# Altium PCB STM32F405.PcbDoc (part 4 of 5) (continued)
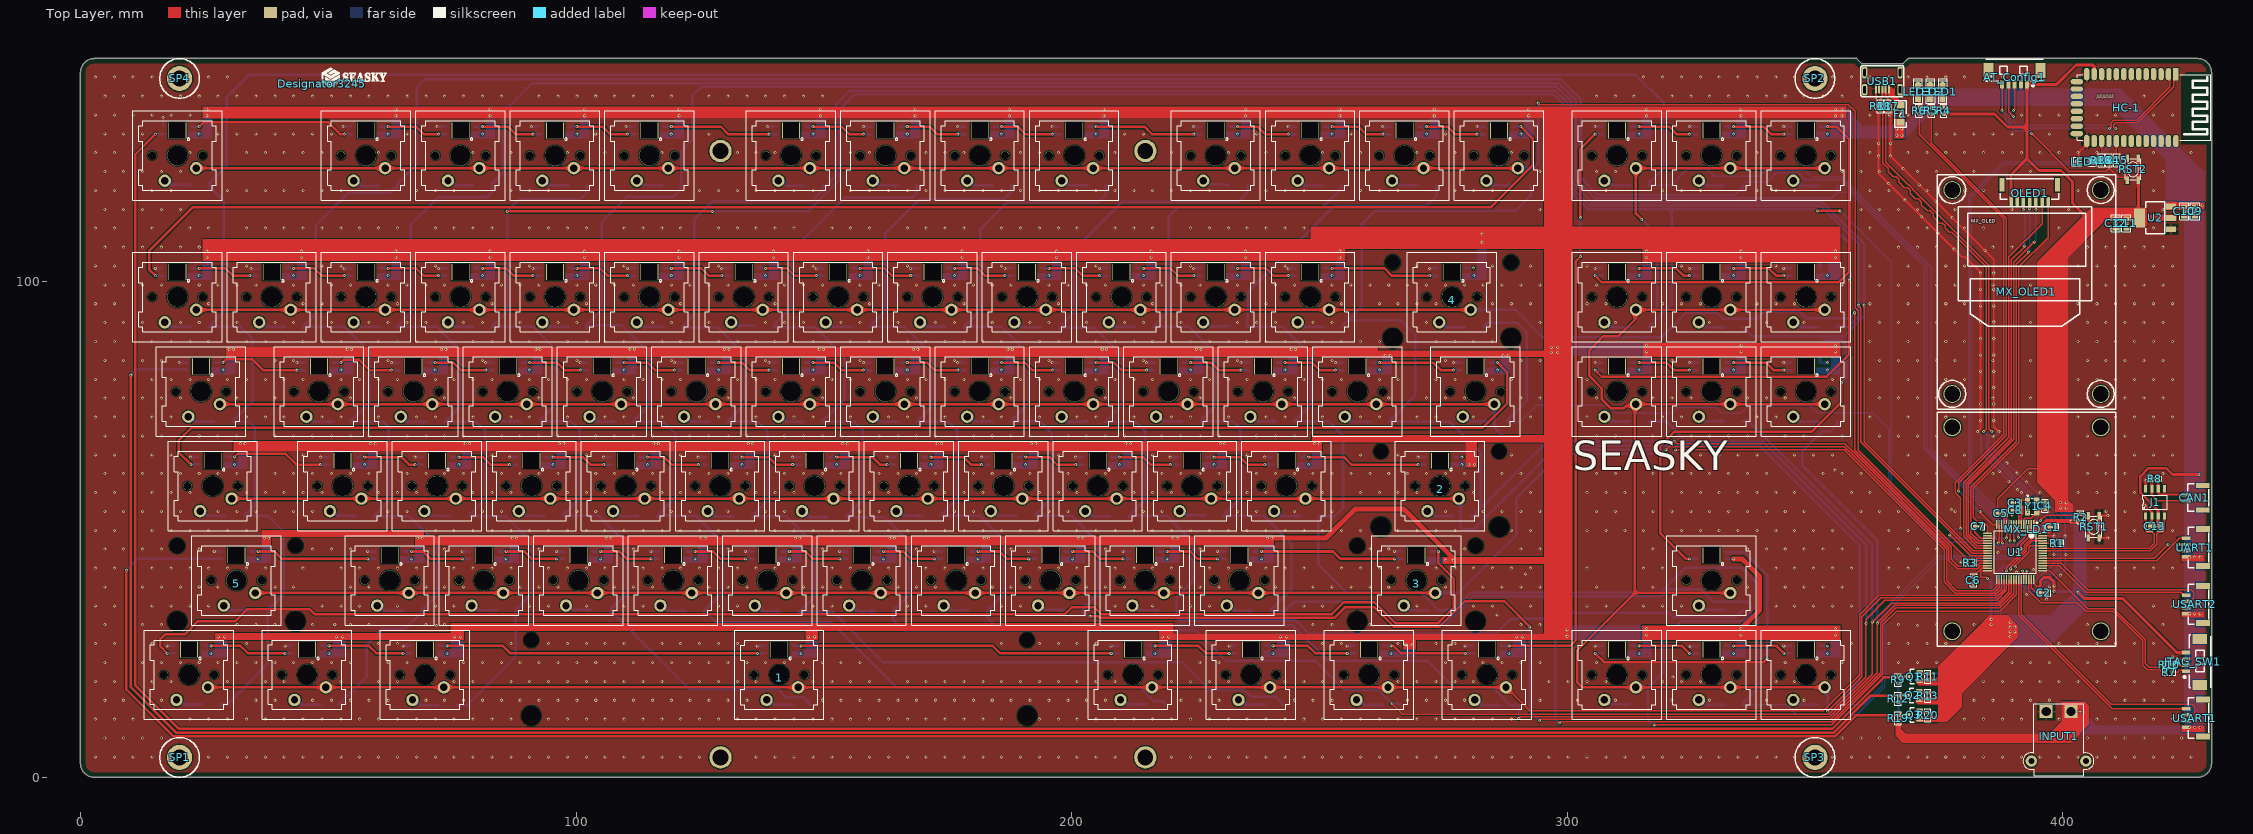
[diagram p0: Top Layer view]
## Nets (pads, with @x,y where several pads share a name; then routed paths per layer and width w, separated by ;. In a path a pad name is that pad's centre, name@x,y a point inside that pad or via, vN(x,y) a via of type N, cw(c..) or ccw(c..) an arc to the next point about the centre after c; other vN are vias at no path point) (continued)
NetLED3_1: LED3.1 R6.1 | length 2
  Top Layer w0.381: LED3.1@370.786,137.033 371.025,136.794 R6.1@371.025,135.133
NetLED4_1: LED4.1 R16.1 | length 2.2
  Top Layer w0.254: LED4.1@405.765,124.206 406.161,123.81 R16.1@407.778,123.81
NetR1_1: R1.1 U1.60 | length 2.4
  Top Layer w0.254: U1.60@395.948,47.194 398.294,47.194 R1.1@398.299,47.188
NetR3_2: R3.2 U1.28 | length 2.7
  Top Layer w0.254: R3.2@382.158,43.688 382.164,43.694 U1.28@384.848,43.694
NetR17_1: R17.1 USB1.2 | length 3
  Top Layer w0.381: USB1.2@364.262,138.896 364.271,138.887 364.271,137.379 364.777,136.873 R17.1@364.777,136.065
NetR18_1: R18.1 USB1.3 | length 3
  Top Layer w0.381: R18.1@363.253,136.065 363.253,136.939 363.612,137.298 USB1.3@363.612,138.896
NetSW1_4: SW1.4 SW2.6 | length 33.8
  Top Layer w0.508: v1(23.959,131.275) 24.892,132.207 49.911,132.207 52.343,129.775 v1(53.239,129.775)
  Bottom Layer w0.508: SW1.4@22.399,131.275 v1(23.959,131.275) ; v1(53.239,129.775) SW2.6@54.799,129.775
NetSW2_4: SW2.4 SW3.6 | length 14
  Top Layer w0.508: v1(62.059,131.275) 67.734,131.275 69.234,129.775 v1(72.289,129.775)
  Bottom Layer w0.508: SW2.4@60.499,131.275 v1(62.059,131.275) ; v1(72.289,129.775) SW3.6@73.849,129.775
NetSW3_4: SW3.4 SW4.6 | length 14
  Top Layer w0.508: v1(81.109,131.275) 86.276,131.275 87.776,129.775 v1(91.339,129.775)
  Bottom Layer w0.508: SW3.4@79.549,131.275 v1(81.109,131.275) ; v1(91.339,129.775) SW4.6@92.899,129.775
NetSW4_4: SW4.4 SW5.6 | length 14
  Top Layer w0.508: v1(100.159,131.275) 105.326,131.275 106.826,129.775 v1(110.389,129.775)
  Bottom Layer w0.508: SW4.4@98.599,131.275 v1(100.159,131.275) ; v1(110.389,129.775) SW5.6@111.949,129.775
NetSW5_4: SW5.4 SW6.6 | length 23.5
  Top Layer w0.508: v1(119.209,131.275) 129.202,131.275 130.702,129.775 v1(138.964,129.775)
  Bottom Layer w0.508: SW5.4@117.649,131.275 v1(119.209,131.275) ; v1(138.964,129.775) SW6.6@140.524,129.775
NetSW6_4: SW6.4 SW7.6 | length 14
  Top Layer w0.508: v1(147.784,131.275) 153.586,131.275 155.086,129.775 v1(158.014,129.775)
  Bottom Layer w0.508: SW6.4@146.224,131.275 v1(147.784,131.275) ; v1(158.014,129.775) SW7.6@159.574,129.775
NetSW7_4: SW7.4 SW8.6 | length 14
  Top Layer w0.508: v1(166.834,131.275) 171.366,131.275 172.866,129.775 v1(177.064,129.775)
  Bottom Layer w0.508: SW7.4@165.274,131.275 v1(166.834,131.275) ; v1(177.064,129.775) SW8.6@178.624,129.775
NetSW8_4: SW8.4 SW9.6 | length 14
  Top Layer w0.508: v1(185.884,131.275) 189.146,131.275 190.646,129.775 v1(196.114,129.775)
  Bottom Layer w0.508: SW8.4@184.324,131.275 v1(185.884,131.275) ; v1(196.114,129.775) SW9.6@197.674,129.775
NetSW9_4: SW9.4 SW10.6 | length 23.5
  Top Layer w0.508: v1(204.934,131.275) 214.673,131.275 216.173,129.775 v1(224.689,129.775)
  Bottom Layer w0.508: SW9.4@203.374,131.275 v1(204.934,131.275) ; v1(224.689,129.775) SW10.6@226.249,129.775
NetSW10_4: SW10.4 SW11.6 | length 14
  Top Layer w0.508: v1(233.509,131.275) 237.533,131.275 239.033,129.775 v1(243.739,129.775)
  Bottom Layer w0.508: SW10.4@231.949,131.275 v1(233.509,131.275) ; v1(243.739,129.775) SW11.6@245.299,129.775
NetSW11_4: SW11.4 SW12.6 | length 14
  Top Layer w0.508: v1(252.559,131.275) 257.853,131.275 259.353,129.775 v1(262.789,129.775)
  Bottom Layer w0.508: SW11.4@250.999,131.275 v1(252.559,131.275) ; v1(262.789,129.775) SW12.6@264.349,129.775
NetSW12_4: SW12.4 SW13.6 | length 14
  Top Layer w0.508: v1(271.609,131.275) 275.887,131.275 277.387,129.775 v1(281.839,129.775)
  Bottom Layer w0.508: SW12.4@270.049,131.275 v1(271.609,131.275) ; v1(281.839,129.775) SW13.6@283.399,129.775
NetSW14_4: SW14.4 SW15.6 | length 14
  Top Layer w0.508: v1(23.959,102.699) 29.254,102.699 30.754,101.199 v1(34.189,101.199)
  Bottom Layer w0.508: SW14.4@22.399,102.699 v1(23.959,102.699) ; v1(34.189,101.199) SW15.6@35.749,101.199
NetSW15_4: SW15.4 SW16.6 | length 14
  Top Layer w0.508: v1(43.009,102.699) 47.161,102.699 48.661,101.199 v1(53.239,101.199)
  Bottom Layer w0.508: SW15.4@41.449,102.699 v1(43.009,102.699) ; v1(53.239,101.199) SW16.6@54.799,101.199
NetSW16_4: SW16.4 SW17.6 | length 14
  Top Layer w0.508: v1(62.059,102.699) 67.735,102.699 69.235,101.199 v1(72.289,101.199)
  Bottom Layer w0.508: SW16.4@60.499,102.699 v1(62.059,102.699) ; v1(72.289,101.199) SW17.6@73.849,101.199
NetSW17_4: SW17.4 SW18.6 | length 14
  Top Layer w0.508: v1(81.109,102.699) 85.896,102.699 87.396,101.199 v1(91.339,101.199)
  Bottom Layer w0.508: SW17.4@79.549,102.699 v1(81.109,102.699) ; v1(91.339,101.199) SW18.6@92.899,101.199
NetSW18_4: SW18.4 SW19.6 | length 14
  Top Layer w0.508: v1(100.159,102.699) 104.819,102.699 106.319,101.199 v1(110.389,101.199)
  Bottom Layer w0.508: SW18.4@98.599,102.699 v1(100.159,102.699) ; v1(110.389,101.199) SW19.6@111.949,101.199
NetSW19_4: SW19.4 SW20.6 | length 14
  Top Layer w0.508: v1(119.209,102.699) 125.266,102.699 126.766,101.199 v1(129.439,101.199)
  Bottom Layer w0.508: SW19.4@117.649,102.699 v1(119.209,102.699) ; v1(129.439,101.199) SW20.6@130.999,101.199
NetSW20_4: SW20.4 SW21.6 | length 14
  Top Layer w0.508: v1(138.259,102.699) 142.538,102.699 144.038,101.199 v1(148.489,101.199)
  Bottom Layer w0.508: SW20.4@136.699,102.699 v1(138.259,102.699) ; v1(148.489,101.199) SW21.6@150.049,101.199
NetSW21_4: SW21.4 SW22.6 | length 14
  Top Layer w0.508: v1(157.309,102.699) 162.223,102.699 163.723,101.199 v1(167.539,101.199)
  Bottom Layer w0.508: SW21.4@155.749,102.699 v1(157.309,102.699) ; v1(167.539,101.199) SW22.6@169.099,101.199
NetSW22_4: SW22.4 SW23.6 | length 14
  Top Layer w0.508: v1(176.359,102.699) 181.019,102.699 182.519,101.199 v1(186.589,101.199)
  Bottom Layer w0.508: SW22.4@174.799,102.699 v1(176.359,102.699) ; v1(186.589,101.199) SW23.6@188.149,101.199
NetSW23_4: SW23.4 SW24.6 | length 14
  Top Layer w0.508: v1(195.409,102.699) 200.704,102.699 202.204,101.199 v1(205.639,101.199)
  Bottom Layer w0.508: SW23.4@193.849,102.699 v1(195.409,102.699) ; v1(205.639,101.199) SW24.6@207.199,101.199
NetSW24_4: SW24.4 SW25.6 | length 14
  Top Layer w0.508: v1(214.459,102.699) 219.92,102.699 221.42,101.199 v1(224.689,101.199)
  Bottom Layer w0.508: SW24.4@212.899,102.699 v1(214.459,102.699) ; v1(224.689,101.199) SW25.6@226.249,101.199
NetSW25_4: SW25.4 SW26.6 | length 14
  Top Layer w0.508: v1(233.509,102.699) 239.185,102.699 240.685,101.199 v1(243.739,101.199)
  Bottom Layer w0.508: SW25.4@231.949,102.699 v1(233.509,102.699) ; v1(243.739,101.199) SW26.6@245.299,101.199
NetSW26_4: SW26.4 SW27.6 | length 23.5
  Top Layer w0.508: v1(252.559,102.699) 263.103,102.699 264.591,101.211 v1(272.272,101.211)
  Bottom Layer w0.508: SW26.4@250.999,102.699 v1(252.559,102.699) ; v1(272.272,101.211) SW27.6@273.833,101.211
NetSW28_4: SW28.4 SW29.6 | length 19.3
  Top Layer w0.508: v1(28.722,83.649) 29.4,84.328 34.671,84.328 36.85,82.149 v1(43.714,82.149)
  Bottom Layer w0.508: SW28.4@27.162,83.649 v1(28.722,83.649) ; v1(43.714,82.149) SW29.6@45.274,82.149
NetSW29_4: SW29.4 SW30.6 | length 14.4
  Top Layer w0.508: v1(52.534,83.649) 53.086,84.201 56.261,84.201 58.313,82.149 v1(62.764,82.149)
  Bottom Layer w0.508: SW29.4@50.974,83.649 v1(52.534,83.649) ; v1(62.764,82.149) SW30.6@64.324,82.149
NetSW30_4: SW30.4 SW31.6 | length 14
  Top Layer w0.508: v1(71.584,83.649) 75.228,83.649 76.728,82.149 v1(81.814,82.149)
  Bottom Layer w0.508: SW30.4@70.024,83.649 v1(71.584,83.649) ; v1(81.814,82.149) SW31.6@83.374,82.149
NetSW31_4: SW31.4 SW32.6 | length 14
  Top Layer w0.508: v1(90.634,83.649) 96.183,83.649 97.683,82.149 v1(100.864,82.149)
  Bottom Layer w0.508: SW31.4@89.074,83.649 v1(90.634,83.649) ; v1(100.864,82.149) SW32.6@102.424,82.149
NetSW32_4: SW32.4 SW33.6 | length 14
  Top Layer w0.508: v1(109.684,83.649) 114.471,83.649 115.971,82.149 v1(119.914,82.149)
  Bottom Layer w0.508: SW32.4@108.124,83.649 v1(109.684,83.649) ; v1(119.914,82.149) SW33.6@121.474,82.149
NetSW33_4: SW33.4 SW34.6 | length 14
  Top Layer w0.508: v1(128.734,83.649) 133.521,83.649 135.021,82.149 v1(138.964,82.149)
  Bottom Layer w0.508: SW33.4@127.174,83.649 v1(128.734,83.649) ; v1(138.964,82.149) SW34.6@140.524,82.149
NetSW34_4: SW34.4 SW35.6 | length 14
  Top Layer w0.508: v1(147.784,83.649) 152.063,83.649 153.563,82.149 v1(158.014,82.149)
  Bottom Layer w0.508: SW34.4@146.224,83.649 v1(147.784,83.649) ; v1(158.014,82.149) SW35.6@159.574,82.149
NetSW35_4: SW35.4 SW36.6 | length 14
  Top Layer w0.508: v1(166.834,83.649) 170.859,83.649 172.359,82.149 v1(177.064,82.149)
  Bottom Layer w0.508: SW35.4@165.274,83.649 v1(166.834,83.649) ; v1(177.064,82.149) SW36.6@178.624,82.149
NetSW36_4: SW36.4 SW37.6 | length 14
  Top Layer w0.508: v1(185.884,83.649) 190.544,83.649 192.044,82.149 v1(196.114,82.149)
  Bottom Layer w0.508: SW36.4@184.324,83.649 v1(185.884,83.649) ; v1(196.114,82.149) SW37.6@197.674,82.149
NetSW37_4: SW37.4 SW38.6 | length 14
  Top Layer w0.508: v1(204.934,83.649) 208.578,83.649 210.078,82.149 v1(215.164,82.149)
  Bottom Layer w0.508: SW37.4@203.374,83.649 v1(204.934,83.649) ; v1(215.164,82.149) SW38.6@216.724,82.149
NetSW38_4: SW38.4 SW39.6 | length 14
  Top Layer w0.508: v1(223.984,83.649) 228.136,83.649 229.636,82.149 v1(234.214,82.149)
  Bottom Layer w0.508: SW38.4@222.424,83.649 v1(223.984,83.649) ; v1(234.214,82.149) SW39.6@235.774,82.149
NetSW39_4: SW39.4 SW40.6 | length 14
  Top Layer w0.508: v1(243.034,83.649) 248.493,83.649 249.993,82.149 v1(253.264,82.149)
  Bottom Layer w0.508: SW39.4@241.474,83.649 v1(243.034,83.649) ; v1(253.264,82.149) SW40.6@254.824,82.149
NetSW40_4: SW40.4 SW41.6 | length 18.7
  Top Layer w0.508: v1(262.084,83.649) 272.967,83.649 274.467,82.149 v1(277.077,82.149)
  Bottom Layer w0.508: SW40.4@260.524,83.649 v1(262.084,83.649) ; v1(277.077,82.149) SW41.6@278.637,82.149
NetSW42_4: SW42.4 SW43.6 | length 21.7
  Top Layer w0.508: v1(31.082,64.628) 31.732,65.278 41.402,65.278 43.581,63.099 v1(48.476,63.099)
  Bottom Layer w0.508: SW42.4@29.522,64.628 v1(31.082,64.628) ; v1(48.476,63.099) SW43.6@50.037,63.099
NetSW43_4: SW43.4 SW44.6 | length 14
  Top Layer w0.508: v1(57.297,64.599) 64.814,64.599 66.314,63.099 v1(67.526,63.099)
  Bottom Layer w0.508: SW43.4@55.737,64.599 v1(57.297,64.599) ; v1(67.526,63.099) SW44.6@69.087,63.099
NetSW44_4: SW44.4 SW45.6 | length 14
  Top Layer w0.508: v1(76.347,64.599) 81.197,64.599 82.697,63.099 v1(86.576,63.099)
  Bottom Layer w0.508: SW44.4@74.787,64.599 v1(76.347,64.599) ; v1(86.576,63.099) SW45.6@88.137,63.099
NetSW45_4: SW45.4 SW46.6 | length 14
  Top Layer w0.508: v1(95.397,64.599) 101.39,64.599 102.89,63.099 v1(105.627,63.099)
  Bottom Layer w0.508: SW45.4@93.837,64.599 v1(95.397,64.599) ; v1(105.627,63.099) SW46.6@107.187,63.099
NetSW46_4: SW46.4 SW47.6 | length 14
  Top Layer w0.508: v1(114.447,64.599) 117.773,64.599 119.273,63.099 v1(124.677,63.099)
  Bottom Layer w0.508: SW46.4@112.887,64.599 v1(114.447,64.599) ; v1(124.677,63.099) SW47.6@126.237,63.099
NetSW47_4: SW47.4 SW48.6 | length 14
  Top Layer w0.508: v1(133.497,64.599) 138.855,64.599 140.355,63.099 v1(143.727,63.099)
  Bottom Layer w0.508: SW47.4@131.937,64.599 v1(133.497,64.599) ; v1(143.727,63.099) SW48.6@145.287,63.099
NetSW48_4: SW48.4 SW49.6 | length 14
  Top Layer w0.508: v1(152.547,64.599) 159.81,64.599 161.31,63.099 v1(162.777,63.099)
  Bottom Layer w0.508: SW48.4@150.987,64.599 v1(152.547,64.599) ; v1(162.777,63.099) SW49.6@164.337,63.099
NetSW49_4: SW49.4 SW50.6 | length 14
  Top Layer w0.508: v1(171.597,64.599) 178.225,64.599 179.725,63.099 v1(181.827,63.099)
  Bottom Layer w0.508: SW49.4@170.037,64.599 v1(171.597,64.599) ; v1(181.827,63.099) SW50.6@183.387,63.099
NetSW50_4: SW50.4 SW51.6 | length 14
  Top Layer w0.508: v1(190.647,64.599) 195.497,64.599 196.997,63.099 v1(200.877,63.099)
  Bottom Layer w0.508: SW50.4@189.087,64.599 v1(190.647,64.599) ; v1(200.877,63.099) SW51.6@202.437,63.099
NetSW51_4: SW51.4 SW52.6 | length 14
  Top Layer w0.508: v1(209.697,64.599) 214.42,64.599 215.92,63.099 v1(219.927,63.099)
  Bottom Layer w0.508: SW51.4@208.137,64.599 v1(209.697,64.599) ; v1(219.927,63.099) SW52.6@221.487,63.099
NetSW52_4: SW52.4 SW53.6 | length 14
  Top Layer w0.508: v1(228.747,64.599) 233.978,64.599 235.478,63.099 v1(238.977,63.099)
  Bottom Layer w0.508: SW52.4@227.187,64.599 v1(228.747,64.599) ; v1(238.977,63.099) SW53.6@240.537,63.099
NetSW53_4: SW53.4 SW54.6 | length 25.9
  Top Layer w0.508: v1(247.797,64.599) 254.933,64.599 256.433,63.099 v1(269.933,63.099)
  Bottom Layer w0.508: SW53.4@246.237,64.599 v1(247.797,64.599) ; v1(269.933,63.099) SW54.6@271.493,63.099
NetSW55_4: SW55.4 SW56.6 | length 25.9
  Top Layer w0.508: v1(35.866,45.549) 39.16,45.549 40.66,44.049 v1(58.001,44.049)
  Bottom Layer w0.508: SW55.4@34.305,45.549 v1(35.866,45.549) ; v1(58.001,44.049) SW56.6@59.562,44.049
NetSW56_4: SW56.4 SW57.6 | length 14
  Top Layer w0.508: v1(66.822,45.549) 69.132,45.549 70.632,44.049 v1(77.051,44.049)
  Bottom Layer w0.508: SW56.4@65.262,45.549 v1(66.822,45.549) ; v1(77.051,44.049) SW57.6@78.612,44.049
NetSW57_4: SW57.4 SW58.6 | length 14
  Top Layer w0.508: v1(85.872,45.549) 89.579,45.549 91.079,44.049 v1(96.102,44.049)
  Bottom Layer w0.508: SW57.4@84.312,45.549 v1(85.872,45.549) ; v1(96.102,44.049) SW58.6@97.662,44.049
NetSW58_4: SW58.4 SW59.6 | length 14
  Top Layer w0.508: v1(104.922,45.549) 108.756,45.549 110.256,44.049 v1(115.152,44.049)
  Bottom Layer w0.508: SW58.4@103.362,45.549 v1(104.922,45.549) ; v1(115.152,44.049) SW59.6@116.712,44.049
NetSW59_4: SW59.4 SW60.6 | length 14
  Top Layer w0.508: v1(123.972,45.549) 127.679,45.549 129.179,44.049 v1(134.202,44.049)
  Bottom Layer w0.508: SW59.4@122.412,45.549 v1(123.972,45.549) ; v1(134.202,44.049) SW60.6@135.762,44.049
NetSW60_4: SW60.4 SW61.6 | length 14
  Top Layer w0.508: v1(143.022,45.549) 146.348,45.549 147.848,44.049 v1(153.252,44.049)
  Bottom Layer w0.508: SW60.4@141.462,45.549 v1(143.022,45.549) ; v1(153.252,44.049) SW61.6@154.812,44.049
NetSW61_4: SW61.4 SW62.6 | length 14
  Top Layer w0.508: v1(162.072,45.549) 166.033,45.549 167.533,44.049 v1(172.302,44.049)
  Bottom Layer w0.508: SW61.4@160.512,45.549 v1(162.072,45.549) ; v1(172.302,44.049) SW62.6@173.862,44.049
NetSW62_4: SW62.4 SW63.6 | length 14
  Top Layer w0.508: v1(181.122,45.549) 185.464,45.549 186.964,44.049 v1(191.352,44.049)
  Bottom Layer w0.508: SW62.4@179.562,45.549 v1(181.122,45.549) ; v1(191.352,44.049) SW63.6@192.912,44.049
NetSW63_4: SW63.4 SW64.6 | length 14
  Top Layer w0.508: v1(200.172,45.549) 204.26,45.549 205.76,44.049 v1(210.402,44.049)
  Bottom Layer w0.508: SW63.4@198.612,45.549 v1(200.172,45.549) ; v1(210.402,44.049) SW64.6@211.962,44.049
NetSW64_4: SW64.4 SW65.6 | length 14
  Top Layer w0.508: v1(219.222,45.549) 223.945,45.549 225.445,44.049 v1(229.452,44.049)
  Bottom Layer w0.508: SW64.4@217.662,45.549 v1(219.222,45.549) ; v1(229.452,44.049) SW65.6@231.012,44.049
NetSW65_4: SW65.4 SW66.6 | length 30.6
  Top Layer w0.508: v1(238.272,45.549) 252.774,45.549 254.274,44.049 v1(265.17,44.049)
  Bottom Layer w0.508: SW65.4@236.712,45.549 v1(238.272,45.549) ; v1(265.17,44.049) SW66.6@266.73,44.049
NetSW67_4: SW67.4 SW68.6 | length 18.7
  Top Layer w0.508: v1(26.319,26.513) 32.288,26.513 33.788,25.013 v1(41.311,25.013)
  Bottom Layer w0.508: SW67.4@24.759,26.513 v1(26.319,26.513) ; v1(41.311,25.013) SW68.6@42.871,25.013
NetSW68_4: SW68.4 SW69.6 | length 18.7
  Top Layer w0.508: v1(50.132,26.513) 58.196,26.513 59.696,25.013 v1(65.124,25.013)
  Bottom Layer w0.508: SW68.4@48.571,26.513 v1(50.132,26.513) ; v1(65.124,25.013) SW69.6@66.684,25.013
NetSW69_4: SW69.4 SW70.6 | length 66.4
  Top Layer w0.508: v1(73.944,26.513) 85.222,26.513 86.735,24.999 v1(136.583,24.999)
  Bottom Layer w0.508: SW69.4@72.384,26.513 v1(73.944,26.513) ; v1(136.583,24.999) SW70.6@138.143,24.999
NetSW70_4: SW70.4 SW71.6 | length 66.3
  Top Layer w0.508: v1(145.403,26.499) 184.088,26.499 185.574,25.013 v1(207.998,25.013)
  Bottom Layer w0.508: SW70.4@143.843,26.499 v1(145.403,26.499) ; v1(207.998,25.013) SW71.6@209.559,25.013
NetSW71_4: SW71.4 SW72.6 | length 18.7
  Top Layer w0.508: v1(216.819,26.513) 225.582,26.513 227.082,25.013 v1(231.811,25.013)
  Bottom Layer w0.508: SW71.4@215.259,26.513 v1(216.819,26.513) ; v1(231.811,25.013) SW72.6@233.372,25.013
NetSW72_4: SW72.4 SW73.6 | length 18.7
  Top Layer w0.508: v1(240.632,26.513) 247.68,26.513 249.18,25.013 v1(255.623,25.013)
  Bottom Layer w0.508: SW72.4@239.072,26.513 v1(240.632,26.513) ; v1(255.623,25.013) SW73.6@257.184,25.013
NetSW73_4: SW73.4 SW74.6 | length 18.7
  Top Layer w0.508: v1(264.444,26.513) 264.952,26.513 266.452,25.013 v1(279.436,25.013)
  Bottom Layer w0.508: SW73.4@262.884,26.513 v1(264.444,26.513) ; v1(279.436,25.013) SW74.6@280.997,25.013
NetSW75_4: SW75.4 SW76.6 | length 14
  Top Layer w0.508: v1(314.472,131.275) 320.591,131.275 322.091,129.775 v1(324.702,129.775)
  Bottom Layer w0.508: SW75.4@312.912,131.275 v1(314.472,131.275) ; v1(324.702,129.775) SW76.6@326.262,129.775
NetSW76_4: SW76.4 SW77.6 | length 14
  Top Layer w0.508: v1(333.522,131.275) 339.641,131.275 341.141,129.775 v1(343.752,129.775)
  Bottom Layer w0.508: SW76.4@331.962,131.275 v1(333.522,131.275) ; v1(343.752,129.775) SW77.6@345.312,129.775
NetSW77_4: SW77.4 SW78.6 | length 88
  Top Layer w0.508: v1(305.652,101.199) 306.984,99.867 354.756,99.867 356.972,102.083 356.972,128.676 354.373,131.275 v1(352.572,131.275)
  Bottom Layer w0.508: v1(305.652,101.199) SW78.6@307.212,101.199 ; SW77.4@351.012,131.275 v1(352.572,131.275)
NetSW78_4: SW78.4 SW79.6 | length 14
  Top Layer w0.508: v1(314.472,102.699) 321.989,102.699 323.489,101.199 v1(324.702,101.199)
  Bottom Layer w0.508: SW78.4@312.912,102.699 v1(314.472,102.699) ; v1(324.702,101.199) SW79.6@326.262,101.199
NetSW79_4: SW79.4 SW80.6 | length 14
  Top Layer w0.508: v1(333.522,102.699) 340.658,102.699 342.158,101.199 v1(343.752,101.199)
  Bottom Layer w0.508: SW79.4@331.962,102.699 v1(333.522,102.699) ; v1(343.752,101.199) SW80.6@345.312,101.199
NetSW80_4: SW80.4 SW81.6 | length 90.1
  Top Layer w0.508: v1(305.652,82.149) 306.984,80.817 352.353,80.817 356.972,85.435 356.972,100.305 v1(356.997,100.33)
  Bottom Layer w0.508: v1(305.652,82.149) SW81.6@307.212,82.149 ; SW80.4@351.056,102.743 SW80.4@351.012,102.699 351.012,108.061 352.171,109.22 355.473,109.22 356.997,107.696 v1(356.997,100.33)
NetSW81_4: SW81.4 SW82.6 | length 14
  Top Layer w0.508: v1(314.472,83.649) 320.084,83.649 321.584,82.149 v1(324.702,82.149)
  Bottom Layer w0.508: SW81.4@312.912,83.649 v1(314.472,83.649) ; v1(324.702,82.149) SW82.6@326.262,82.149
NetSW82_4: SW82.4 SW83.6 | length 14
  Top Layer w0.508: v1(333.522,83.649) 340.15,83.649 341.669,82.13 343.732,82.13 v1(343.752,82.149)
  Bottom Layer w0.508: SW82.4@331.962,83.649 v1(333.522,83.649) ; v1(343.752,82.149) SW83.6@345.312,82.149
NetSW83_4: SW83.4 SW84.6 | length 90.7
  Top Layer w0.508: v1(324.702,44.049) 323.997,44.049 318.77,49.276 318.77,66.802 321.691,69.723 349.377,69.723 355.346,75.692 v1(355.346,79.629)
  Bottom Layer w0.508: v1(324.702,44.049) SW84.6@326.262,44.049 ; v1(352.572,83.649) SW83.4@351.012,83.649 351.012,87.106 352.196,88.29 355.305,88.29 356.362,87.233 356.362,80.645 v1(355.346,79.629)
NetSW84_4: SW84.4 SW85.6 | length 64.6
  Top Layer w0.508: v1(305.652,24.999) 307.41,23.241 339.725,23.241 v1(340.36,23.876)
  Bottom Layer w0.508: v1(305.652,24.999) SW85.6@307.212,24.999 ; SW84.4@331.962,45.549 332.158,45.353 335.901,45.353 340.36,40.894 v1(340.36,23.876)
NetSW85_4: SW85.4 SW86.6 | length 14
  Top Layer w0.508: v1(314.472,26.499) 323.202,26.499 v1(324.702,24.999)
  Bottom Layer w0.508: SW85.4@312.912,26.499 v1(314.472,26.499) ; v1(324.702,24.999) SW86.6@326.262,24.999
NetSW86_4: SW86.4 SW87.6 | length 14
  Top Layer w0.508: v1(333.522,26.499) 342.252,26.499 v1(343.752,24.999)
  Bottom Layer w0.508: SW86.4@331.962,26.499 v1(333.522,26.499) ; v1(343.752,24.999) SW87.6@345.312,24.999
NRST: C8.2 R2.1 RST1.1 U1.7 | length 23.4
  Top Layer w0.254: v1(391.09,53.89) 391.148,53.832 U1.7@391.148,50.993 ; v1(395.478,51.816) 396.542,52.88 403.658,52.88 403.762,52.775 RST1.1@405.111,52.775 RST1.1@405.111,48.275
  Bottom Layer w0.254: v1(391.09,53.89) 391.09,52.902 392.176,51.816 v1(395.478,51.816)
OLED_CLK(PA5): OLED1.3 U1.21 | length 77.5
  Top Layer w0.254: U1.21@384.848,47.194 382.844,47.194 380.975,49.063 380.975,58.982 390.144,68.152 390.144,103.931 394.257,108.044 v1(394.312,108.044) ; OLED1.3@394.569,116.205 394.579,116.195 394.579,114.564 v1(394.589,114.554)
  Bottom Layer w0.254: v1(394.312,108.044) 394.312,108.054 394.589,108.331 v1(394.589,114.554)
OLED_DC(PA4): OLED1.4 U1.20 | length 75.9
  Top Layer w0.254: U1.20@384.848,47.694 383.026,47.694 381.476,49.244 381.476,58.515 390.652,67.691 390.652,103.505 v1(393.128,105.981) ; v1(393.319,114.681) OLED1.4@393.319,116.205
  Bottom Layer w0.254: v1(393.128,105.981) 393.319,106.172 v1(393.319,114.681)
OLED_MOSI(PA7): OLED1.2 U1.23 | length 80
  Top Layer w0.254: U1.23@384.848,46.194 382.479,46.194 380.009,48.663 380.009,59.461 389.128,68.58 389.128,105.029 395.819,111.72 OLED1.2@395.819,116.205
OLED_RST(PA6): OLED1.5 U1.22 | length 77.6
  Top Layer w0.254: U1.22@384.848,46.694 382.661,46.694 380.492,48.863 380.492,59.182 389.636,68.326 389.636,68.707 389.636,104.394 392.303,107.061 v1(392.303,107.204) ; v1(392.049,114.554) 392.059,114.564 392.059,116.195 OLED1.5@392.069,116.205
  Bottom Layer w0.254: v1(392.049,114.554) 392.049,113.919 392.303,113.665 v1(392.303,107.204)
SWCLK(PA14): R10.1 U1.49 | length 35.9
  Top Layer w0.254: U1.49@395.948,41.694 397.345,41.694 405.003,34.036 410.327,34.036 416.649,27.714 416.649,23.025 417.474,22.2 419.583,22.2 420.116,22.733 R10.1@420.809,22.733
SWDIO(PA13): R7.1 U1.46 | length 39.6
  Top Layer w0.254: U1.46@393.148,39.894 393.144,39.889 393.144,37.64 395.605,35.179 402.971,35.179 404.622,33.528 410.152,33.528 416.155,27.525 416.155,22.582 417.021,21.717 419.608,21.717 420.116,21.209 R7.1@420.809,21.209
UART5_RX: U1.54 UART1.3 | length 30.2
  Top Layer w0.254: U1.54@395.948,44.194 399.417,44.194 399.44,44.171 418.44,44.171 v1(421.259,46.99) ; v1(423.418,46.99) 423.432,46.976 424.917,46.976 UART1.3@424.931,46.961
  Bottom Layer w0.254: v1(421.259,46.99) v1(423.418,46.99)
UART5_TX: U1.53 UART1.4 | length 30.9
  Top Layer w0.254: U1.53@395.948,43.694 398.901,43.694 398.907,43.688 418.973,43.688 423.545,48.26 424.882,48.26 UART1.4@424.931,48.211
USART1_RX: U1.43 USART1.3 | length 52.8
  Top Layer w0.254: U1.43@391.648,39.894 391.648,32.913 409.829,14.732 426.085,14.732 426.593,14.224 426.593,12.954 426.212,12.573 USART1.3@424.932,12.573
USART1_TX: U1.42 USART1.4 | length 48.8
  Top Layer w0.254: U1.42@391.148,39.894 391.153,39.889 391.153,32.646 409.976,13.823 USART1.4@424.931,13.823
USART3_RX: U1.52 USART2.3 | length 35.9
  Top Layer w0.254: U1.52@395.948,43.194 399.655,43.194 405.003,37.846 425.958,37.846 426.466,37.338 426.466,36.195 425.76,35.489 USART2.3@424.931,35.489
USART3_TX: U1.51 USART2.4 | length 31.4
  Top Layer w0.254: U1.51@395.948,42.694 399.266,42.694 404.622,37.338 423.799,37.338 424.398,36.739 USART2.4@424.931,36.739
USB_OTG_FS_DM: R17.2 U1.44 | length 122.5
  Top Layer w0.254: R17.2@364.777,134.765 364.236,134.224 364.236,124.141 368.87,119.507 368.891,119.507 369.697,118.701 369.697,118.68 385.064,103.313 385.064,70.358 v1(385.699,69.723) ; v1(391.858,41.593) 391.858,41.496 392.148,41.206 392.148,40.136 U1.44@392.153,40.132
  Bottom Layer w0.254: v1(385.699,69.723) 385.191,69.215 385.191,65.659 399.542,51.308 399.542,42.208 394.799,37.465 393.065,37.465 392.049,38.481 392.049,41.402 v1(391.858,41.593)
USB_OTG_FS_DP: R18.2 U1.45 | length 123.3
  Top Layer w0.254: R18.2@363.253,134.765 363.728,134.29 363.728,123.93 364.744,122.914 364.744,122.174 365.76,121.158 366.395,121.158 366.903,120.65 366.903,120.142 368.046,118.999 368.681,118.999 369.189,118.491 369.189,117.729 370.205,116.713 370.84,116.713 371.475,116.078 371.475,115.443 372.618,114.3 373.253,114.3 373.888,113.665 373.888,113.03 375.094,111.823 375.729,111.823 376.301,111.252 376.301,110.744 377.063,109.982 377.571,109.982 384.556,102.997 384.556,70.231 v1(384.048,69.723) ; U1.45@392.648,39.894 392.648,41.397 392.811,41.56 v1(392.811,41.656)
  Bottom Layer w0.254: v1(384.048,69.723) 384.683,69.088 384.683,65.405 399.034,51.054 399.034,42.418 394.589,37.973 393.275,37.973 392.557,38.691 392.557,41.402 v1(392.811,41.656)
VCC3V3: AT_Config1.1 C1.2 C5.2 C7.2 C11.2 C12.2 HC-1.12 JTAG_SW1.4 OLED1.7 Q1.1 Q2.1 Q3.1 R2.2 R4.2 R11.1 R13.1 R20.1 RST2.1 U1.1 U1.13 U1.19 U1.32 U1.48 U1.64 U2.2 U2.4 | length 208.2
  Top Layer w0.254: C7.2@382.297,50.617 382.27,50.59 382.27,49.403 383.479,48.194 U1.19@384.848,48.194 384.853,48.189 385.812,48.189 386.102,47.899 386.102,41.988 385.812,41.698 384.853,41.698 U1.32@384.848,41.694 383.832,41.694 383.484,41.346 383.484,40.398 384.568,40.398 384.81,40.157 v1(384.81,40.132) ; U1.13@388.148,50.993 388.148,52.288 387.888,52.548 387.591,52.548 C5.2@386.854,53.284 386.854,56.19 392.894,62.23 398.907,62.23 ; U1.48@394.148,39.894 394.148,39.136 394.716,38.568 395.365,38.568 395.505,38.708 ; U1.64@395.948,49.194 395.948,50.127 396.311,50.49 C1.2@397.283,50.49 ; C12.2@410.687,112.71 410.855,112.878 U2.4@415.495,112.878 U2.2@421.845,112.878
  Top Layer w0.508: Q2.1@371.03,15.56 371.305,15.56 371.541,15.796 R13.1@372.757,15.796 ; Q3.1@371.157,11.623 371.432,11.623 371.668,11.859 R20.1@372.757,11.859 ; Q1.1@371.157,19.37 371.432,19.37 371.668,19.606 R11.1@372.757,19.606
  Top Layer w0.61: R4.2@375.977,133.818 386.247,133.818 388.874,131.191 392.785,131.191 ; 389.539,121.569 389.569,121.599 ; OLED1.7@389.569,116.205 389.569,121.599 ; 392.747,124.777 389.569,121.599 ; 395.505,38.708 395.505,39.651 396.113,40.259 397.383,40.259 398.272,39.37 v1(398.272,38.608) v1(398.272,37.465) ; v1(403.098,37.338) 404.406,36.03 412.153,36.03 423.048,25.135 JTAG_SW1.4@424.831,25.135 ; HC-1.12@406.336,141.878 406.336,143.447 406.07,143.713 402.666,143.713 398.78,139.827 392.801,139.827 AT_Config1.1@392.785,139.81 392.785,131.191 ; 408.051,112.776 410.621,112.776 C12.2@410.687,112.71 405.069,112.71 401.955,115.824 401.955,120.142 399.669,122.428 395.172,122.428 392.785,124.815 392.785,131.191 ; RST2.1@415.272,124.932 RST2.1@415.272,120.432 415.272,113.101 U2.4@415.495,112.878
  Bottom Layer w0.61: v1(384.81,40.132) 385.572,39.37 v1(385.572,31.877) v1(385.572,30.861) ; v1@389.382,30.226 v1(389.382,30.29) v1(389.382,31.242) ; v1(398.272,38.608) v1(398.272,37.465) 402.971,37.465 v1(403.098,37.338)
  other v1: 389.382,28.384 389.382,29.337 390.334,29.337 390.334,30.29 401.701,51.689 402.717,51.689 399.542,54.356 400.685,54.356 400.685,55.372 399.542,55.435